# Altium PCB 1-quilter-input.PcbDoc (part 2 of 4)
Units mil, origin at the board's own origin, x right, y up, seen from the top; angles counter-clockwise.
Board outline 2728 x 2217 mil, 8 copper layers (L1_PS, L2_GND_1, L3_IN1, L4_GND_2, L5_PWR_1, L6_PWR_2, L7_GND_3, L8_SS), stack 46.1 mil thick; 230 components, 327 nets, 1592 pads, 586 vias.
Unrouted connection lines stored in the file: 713.
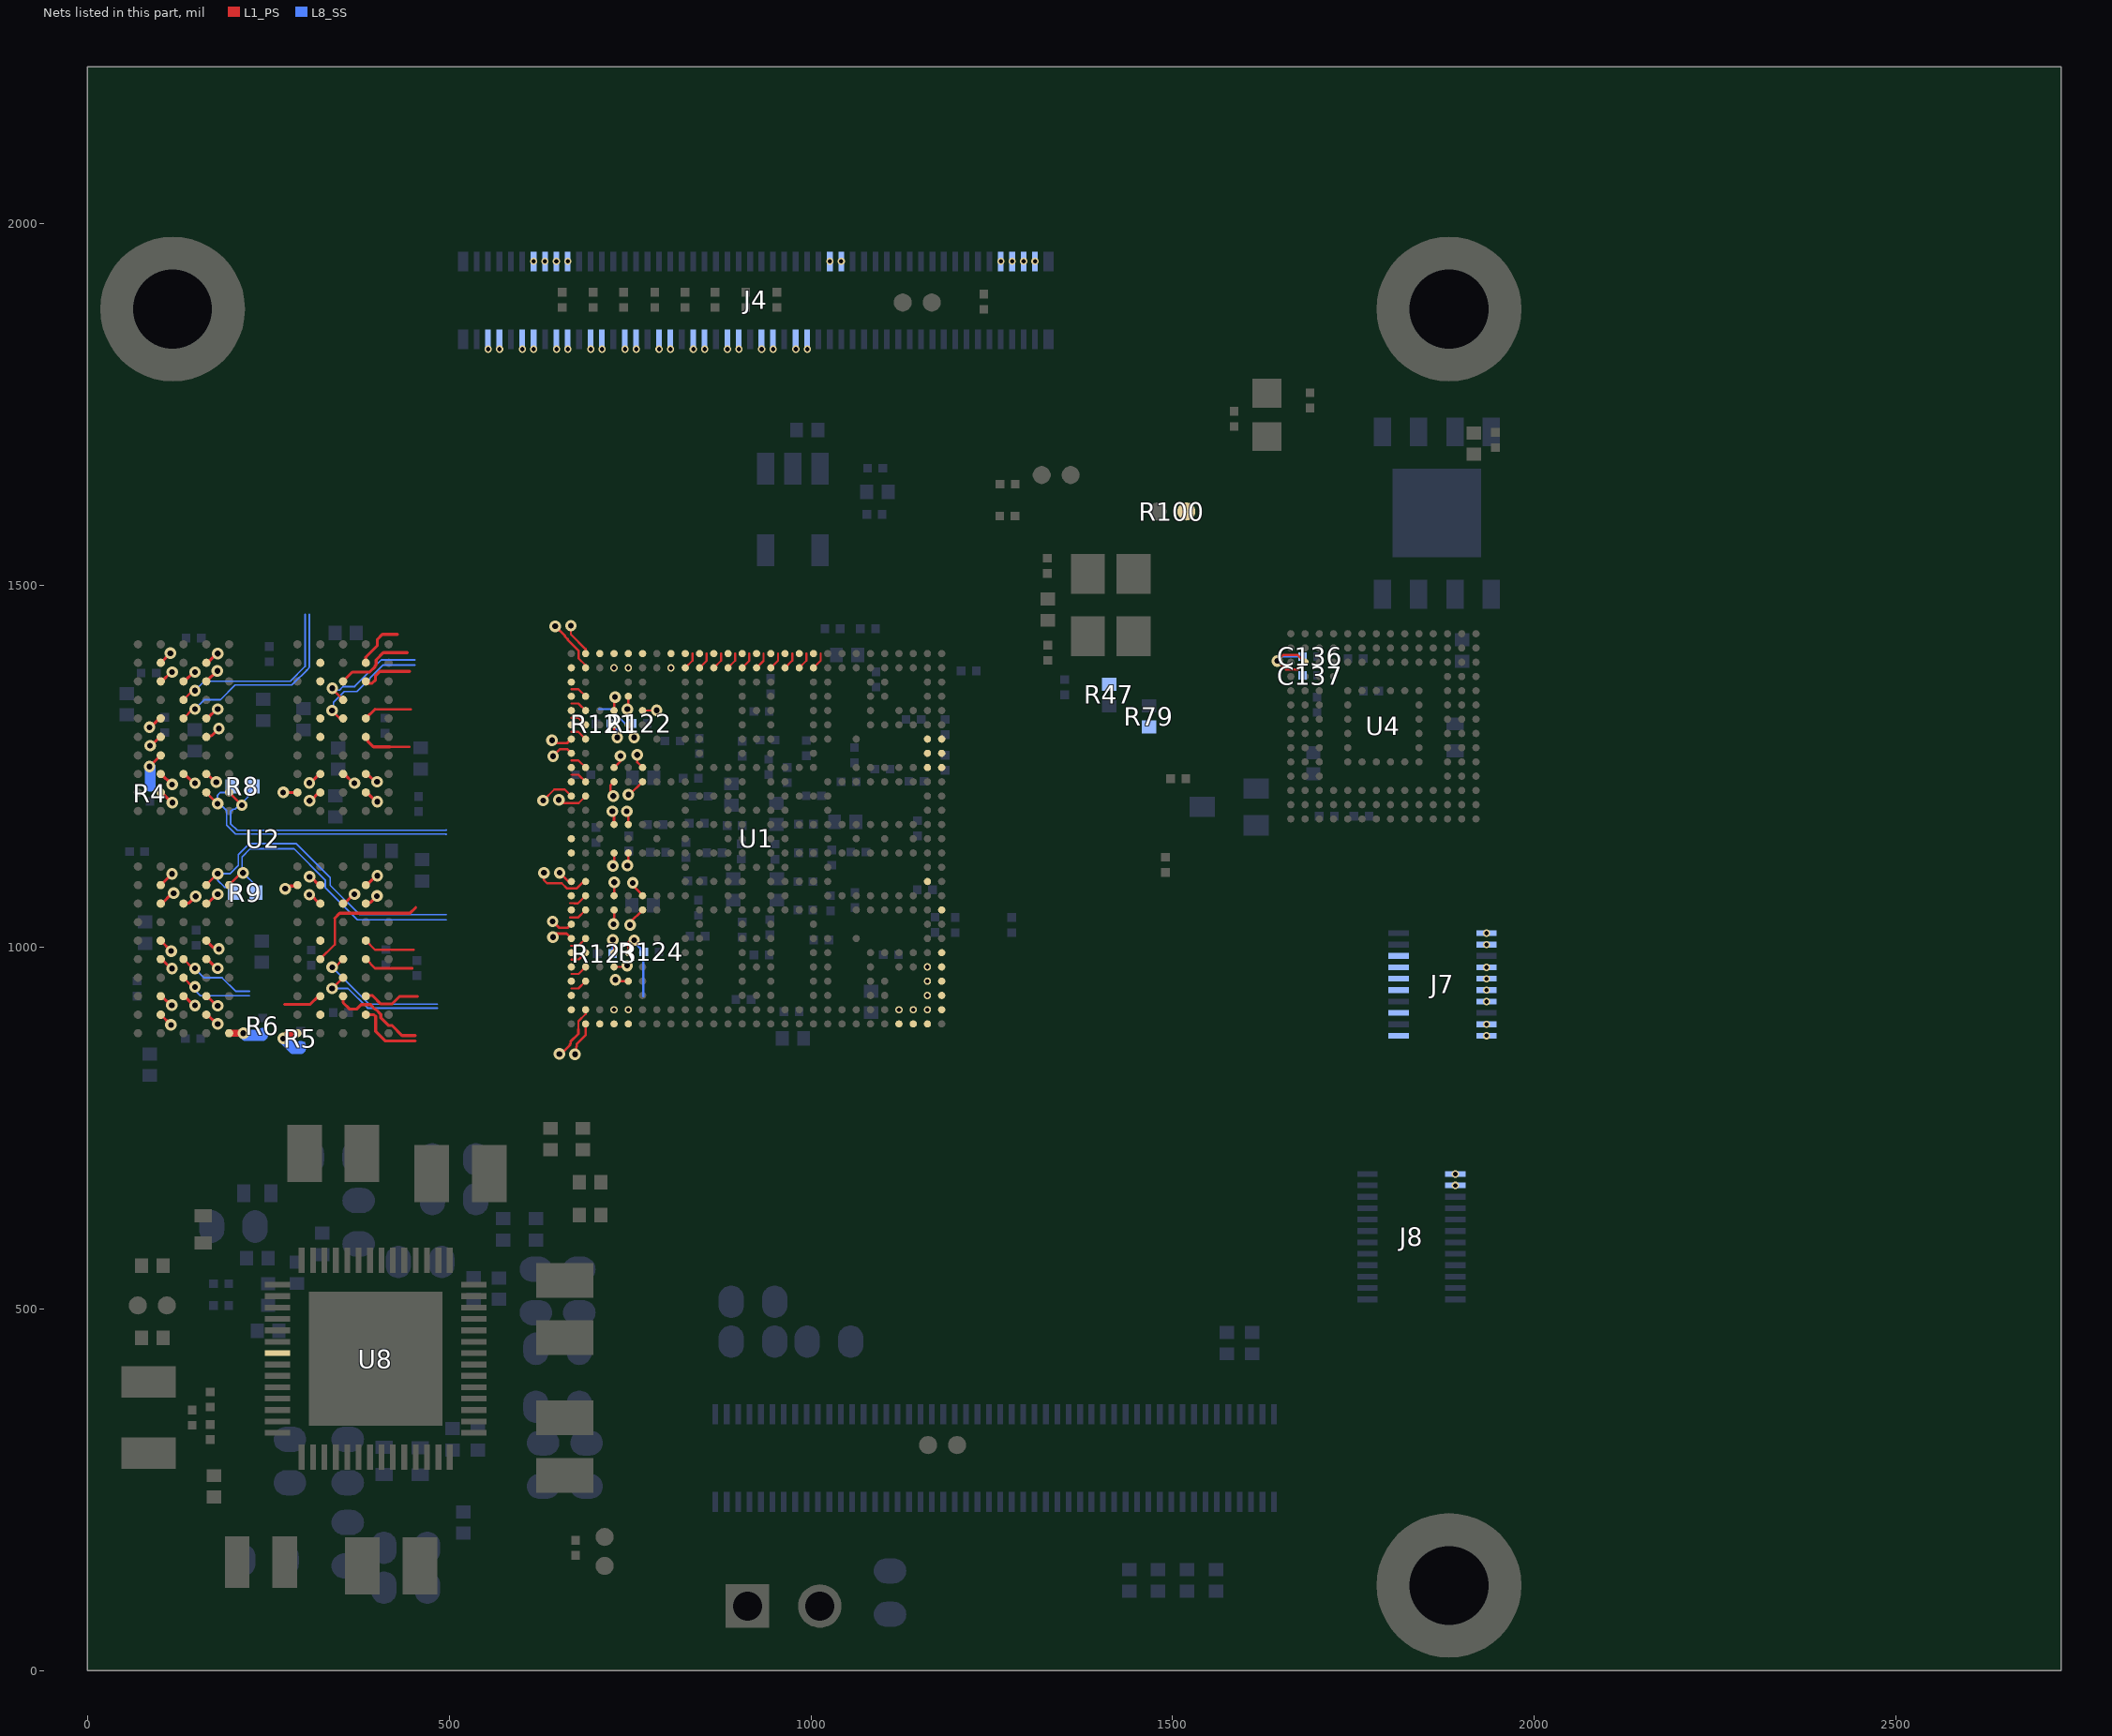
[diagram p3: the nets of this part, all layers, seen from the top]

## Footprints (in the part's own frame and the unit in brackets; to place one, negate y for a bottom-side part, rotate by r counter-clockwise, add the part's x,y. Pads: shape width x height; smd on the part's side, far side on the other; paste and mask are expansions set on the pad) (continued)
fbga153_0p5_11p5x13 [mil] "FBGA153_0P5_11P5X13"
  round 10 smd: A1(-127.95,127.95) A2(-108.27,127.95) A3(-88.58,127.95) A4(-68.9,127.95) A5(-49.21,127.95) A6(-29.53,127.95) A7(-9.84,127.95) A8(9.84,127.95) A9(29.53,127.95) A10(49.21,127.95) A11(68.9,127.95) A12(88.58,127.95) A13(108.27,127.95) A14(127.95,127.95) B1(-127.95,108.27) B2(-108.27,108.27) B3(-88.58,108.27) B4(-68.9,108.27) B5(-49.21,108.27) B6(-29.53,108.27) B7(-9.84,108.27) B8(9.84,108.27) B9(29.53,108.27) B10(49.21,108.27) B11(68.9,108.27) B12(88.58,108.27) B13(108.27,108.27) B14(127.95,108.27) C1(-127.95,88.58) C2(-108.27,88.58) C3(-88.58,88.58) C4(-68.9,88.58) C5(-49.21,88.58) C6(-29.53,88.58) C7(-9.84,88.58) C8(9.84,88.58) C9(29.53,88.58) C10(49.21,88.58) C11(68.9,88.58) C12(88.58,88.58) C13(108.27,88.58) C14(127.95,88.58) D1(-127.95,68.9) D2(-108.27,68.9) D3(-88.58,68.9) D4(-68.9,68.9) D12(88.58,68.9) D13(108.27,68.9) D14(127.95,68.9) E1(-127.95,49.21) E2(-108.27,49.21) E3(-88.58,49.21) E5(-49.21,49.21) E6(-29.53,49.21) E7(-9.84,49.21) E8(9.84,49.21) E9(29.53,49.21) E10(49.21,49.21) E12(88.58,49.21) E13(108.27,49.21) E14(127.95,49.21) F1(-127.95,29.53) F2(-108.27,29.53) F3(-88.58,29.53) F5(-49.21,29.53) F10(49.21,29.53) F12(88.58,29.53) F13(108.27,29.53) F14(127.95,29.53) G1(-127.95,9.84) G2(-108.27,9.84) G3(-88.58,9.84) G5(-49.21,9.84) G10(49.21,9.84) G12(88.58,9.84) G13(108.27,9.84) G14(127.95,9.84) H1(-127.95,-9.84) H2(-108.27,-9.84) H3(-88.58,-9.84) H5(-49.21,-9.84) H10(49.21,-9.84) H12(88.58,-9.84) H13(108.27,-9.84) H14(127.95,-9.84) J1(-127.95,-29.53) J2(-108.27,-29.53) J3(-88.58,-29.53) J5(-49.21,-29.53) J10(49.21,-29.53) J12(88.58,-29.53) J13(108.27,-29.53) J14(127.95,-29.53) K1(-127.95,-49.21) K2(-108.27,-49.21) K3(-88.58,-49.21) K5(-49.21,-49.21) K6(-29.53,-49.21) K7(-9.84,-49.21) K8(9.84,-49.21) K9(29.53,-49.21) K10(49.21,-49.21) K12(88.58,-49.21) K13(108.27,-49.21) K14(127.95,-49.21) L1(-127.95,-68.9) L2(-108.27,-68.9) L3(-88.58,-68.9) L12(88.58,-68.9) L13(108.27,-68.9) L14(127.95,-68.9) M1(-127.95,-88.58) M2(-108.27,-88.58) M3(-88.58,-88.58) M4(-68.9,-88.58) M5(-49.21,-88.58) M6(-29.53,-88.58) M7(-9.84,-88.58) M8(9.84,-88.58) M9(29.53,-88.58) M10(49.21,-88.58) M11(68.9,-88.58) M12(88.58,-88.58) M13(108.27,-88.58) M14(127.95,-88.58) N1(-127.95,-108.27) N2(-108.27,-108.27) N3(-88.58,-108.27) N4(-68.9,-108.27) N5(-49.21,-108.27) N6(-29.53,-108.27) N7(-9.84,-108.27) N8(9.84,-108.27) N9(29.53,-108.27) N10(49.21,-108.27) N11(68.9,-108.27) N12(88.58,-108.27) N13(108.27,-108.27) N14(127.95,-108.27) P1(-127.95,-127.95) P2(-108.27,-127.95) P3(-88.58,-127.95) P4(-68.9,-127.95) P5(-49.21,-127.95) P6(-29.53,-127.95) P7(-9.84,-127.95) P8(9.84,-127.95) P9(29.53,-127.95) P10(49.21,-127.95) P11(68.9,-127.95) P12(88.58,-127.95) P13(108.27,-127.95) P14(127.95,-127.95)
  silkscreen extent -266,-265 235,295, body extent -226,-256 226,256, height 36
GNDPOINT256 [mil] "GNDPOINT256"
  round 200 hole 109: 1(0,0)
HDR_1X2 [mil] "HDR_1X2"
  rect 60x60 / inner round 60 / far side rect 60x60 hole 40: 1(0,0)
  round 60 hole 40: 2(0,-100)
  L8_SS keep-out region: -30,-35 -30,-65 30,-65 30,-35
  silkscreen extent -57,-157 57,57, body extent -51,-152 49,48, height 330
hvqfn56_0p4_7x7_ep4p7mm [mil] "HVQFN56_0P4_7X7_EP4P7MM"
  rect 35x8 smd: 1(-135.83,102.36) 2(-135.83,86.61) 3(-135.83,70.87) 4(-135.83,55.12) 5(-135.83,39.37) 6(-135.83,23.62) 7(-135.83,7.87) 8(-135.83,-7.87) 9(-135.83,-23.62) 10(-135.83,-39.37) 11(-135.83,-55.12) 12(-135.83,-70.87) 13(-135.83,-86.61) 14(-135.83,-102.36) 29(135.83,-102.36) 30(135.83,-86.61) 31(135.83,-70.87) 32(135.83,-55.12) 33(135.83,-39.37) 34(135.83,-23.62) 35(135.83,-7.87) 36(135.83,7.87) 37(135.83,23.62) 38(135.83,39.37) 39(135.83,55.12) 40(135.83,70.87) 41(135.83,86.61) 42(135.83,102.36)
  rect 8x35 smd: 15(-102.36,-135.83) 16(-86.61,-135.83) 17(-70.87,-135.83) 18(-55.12,-135.83) 19(-39.37,-135.83) 20(-23.62,-135.83) 21(-7.87,-135.83) 22(7.87,-135.83) 23(23.62,-135.83) 24(39.37,-135.83) 25(55.12,-135.83) 26(70.87,-135.83) 27(86.61,-135.83) 28(102.36,-135.83) 43(102.36,135.83) 44(86.61,135.83) 45(70.87,135.83) 46(55.12,135.83) 47(39.37,135.83) 48(23.62,135.83) 49(7.87,135.83) 50(-7.87,135.83) 51(-23.62,135.83) 52(-39.37,135.83) 53(-55.12,135.83) 54(-70.87,135.83) 55(-86.61,135.83) 56(-102.36,135.83)
  rect 185x185 smd paste-99999: 57(0,0)
  silkscreen extent -145,-145 145,145, body extent -138,-138 138,138, height 33
IND_2016A [mil] "IND_2016A"
  rect 34x71 smd: 1(-32.87,-0.08) 2(32.87,-0.08)
  silkscreen extent -45,-42 45,43, body extent -39,-24 39,24, height 37
ind_sph2520 [mil] "IND_SPH2520"
  rect 48x79 smd: 1(-39.75,0) 2(39.75,0)
  silkscreen extent -55,-50 52,50, body extent -49,-39 49,39, height 87
LED_0603 [mil] "LED_0603"
  rect 40x40 smd: A(-30,0) C(30,0)
  silkscreen extent -57,-95 57,27, body extent -33,-18 33,18, height 35
NXP_LOGO_SOLID_SMALL [mil] "NXP_LOGO_SOLID_SMALL"
  silkscreen extent 0,1 516,176
RC0402_25 [mil] "RC0402_25"
  round 25 smd: 1(-20,0) 2(20,0)
  L1_PS keep-out region: 5,4 5,-4 5,-6.07 2.07,-9 -2.07,-9 -5,-6.07 -5,-4 -5,-4 -5,4 -5,6.07 -2.07,9 2.07,9 5,6.07 5,4
  body extent -23,-11 23,11, height 16
sc70_3 [mil] "SC70_3"
  rect 28x35 smd: 1(-25.5,-37.47) 2(25.5,-37.47) 3(0,37.47)
  silkscreen extent -51,-34 51,34, body extent -41,-45 41,45, height 39
sot23-5 [mil] "SOT23-5"
  rect 24x44 smd: 1(-37.4,-56.1) 2(0,-56.1) 3(37.4,-56.1) 4(37.4,56.1) 5(-37.4,56.1)
  silkscreen extent -69,-41 69,41, body extent -59,-55 59,55, height 46
UL_BOX [mil] "UL_BOX"
  silkscreen extent 0,0 700,200
XTAL2-3P2X1P5-SM [mil] "XTAL2-3P2X1P5-SM"
  rect 43x75 smd: 1(-49.21,0.02) 2(49.21,0.02)
  silkscreen extent -82,-48 82,48, body extent -63,-30 63,30, height 35
xtlosc4_3p2x2p5mm_sm [mil] "XTLOSC4_3P2X2P5MM_SM"
  rect 55x47 smd: 1(-43.29,-31.5) 2(43.33,-31.5) 3(43.33,31.5) 4(-43.29,31.5)
  silkscreen extent -78,-62 78,62, body extent -63,-49 63,49, height 28

## Part data
BH1 BH2 BH3: library part MOUNT_HOLE, "MOUNTING HOLE DRILL 109 PAD 200 PLATED TH NO PART TO ORDER", AGILE_PN=280-75147, ASSY_OPT=DNP, CAD_APPROVED=Yes, CLASS=IC, HEIGHT="0.005 MILS", PCB Footprint=GNDPOINT256, RoHS=Yes
  BH1: Part Reference=BH1
  BH2: Part Reference=BH2
  BH3: Part Reference=BH3
C1 C3 C5 C6 C8 C9 C17 C21 C23 C30 C99 C100 C101 C104 C114 C128 C129 C131 C132 C133 C136 C138 C235 C241 C244 C264 C370 C371 C372 C373 C374 C375 C376 C378 C379 C380 C381 C382 C384 C392 C393 C394 C400: library part CAP_NP, "CAP CER 0.22UF 10V 20% X5R 0201", Tolerance=20%, Voltage=10V, AGILE_PN=150-78815, CAD_APPROVED=Yes, CLASS=DISCRETE, HEIGHT=0.33MM, MFG_NAME01="Taiyo Yuden", MFG_PN01=LMK063BJ224MP-F, PCB Footprint=0201_CC, RoHS=Yes
  C1: FPLIST=CC0201,CC0201_HD,0201_CC,CC_0201_CIR,0201_CC_012SM_NSP, Part Reference=C1
  C3: FPLIST=CC0201,CC0201_HD,0201_CC, Part Reference=C3
  C5: FPLIST=CC0201,CC0201_HD,0201_CC, Part Reference=C5
  C6: FPLIST=CC0201,CC0201_HD,0201_CC, Part Reference=C6
  C8: FPLIST=CC0201,CC0201_HD,0201_CC, Part Reference=C8
  C9: FPLIST=CC0201,CC0201_HD,0201_CC, Part Reference=C9
  C17: FPLIST=CC0201,CC0201_HD,0201_CC, Part Reference=C17
  C21: FPLIST=CC0201,CC0201_HD,0201_CC, Part Reference=C21
  C23: FPLIST=CC0201,CC0201_HD,0201_CC, Part Reference=C23
  C30: FPLIST=CC0201,CC0201_HD,0201_CC,0201_CC_012SM_NSP, Part Reference=C30
  C99: FPLIST=CC0201,CC0201_HD,0201_CC, Part Reference=C99
  C100: FPLIST=CC0201,CC0201_HD,0201_CC, Part Reference=C100
  C101: FPLIST=CC0201,CC0201_HD,0201_CC, Part Reference=C101
  C104: FPLIST=CC0201,CC0201_HD,0201_CC, Part Reference=C104
  C114: FPLIST=CC0201,CC0201_HD,0201_CC, Part Reference=C114
  C128: FPLIST=CC0201,CC0201_HD,0201_CC, Part Reference=C128
  C129: FPLIST=CC0201,CC0201_HD,0201_CC, Part Reference=C129
  C131: FPLIST=CC0201,CC0201_HD,0201_CC, Part Reference=C131
  C132: FPLIST=CC0201,CC0201_HD,0201_CC, Part Reference=C132
  C133: FPLIST=CC0201,CC0201_HD,0201_CC, Part Reference=C133
  C136: FPLIST=CC0201,CC0201_HD,0201_CC, Part Reference=C136
  C138: FPLIST=CC0201,CC0201_HD,0201_CC, Part Reference=C138
  C235: FPLIST=CC0201,CC0201_HD,0201_CC, Part Reference=C235
  C241: FPLIST=CC0201,CC0201_HD,0201_CC, Part Reference=C241
  C244: FPLIST=CC0201,CC0201_HD,0201_CC,CC_0201_CIR,0201_CC_012SM_NSP, Part Reference=C244
  C264: FPLIST=CC0201,CC0201_HD,0201_CC, Part Reference=C264
  C370: FPLIST=CC0201,CC0201_HD,0201_CC, Part Reference=C370
  C371: FPLIST=CC0201,CC0201_HD,0201_CC, Part Reference=C371
  C372: FPLIST=CC0201,CC0201_HD,0201_CC, Part Reference=C372
  C373: FPLIST=CC0201,CC0201_HD,0201_CC, Part Reference=C373
  C374: FPLIST=CC0201,CC0201_HD,0201_CC, Part Reference=C374
  C375: FPLIST=CC0201,CC0201_HD,0201_CC, Part Reference=C375
  C376: FPLIST=CC0201,CC0201_HD,0201_CC, Part Reference=C376
  C378: FPLIST=CC0201,CC0201_HD,0201_CC, Part Reference=C378
  C379: FPLIST=CC0201,CC0201_HD,0201_CC, Part Reference=C379
  C380: FPLIST=CC0201,CC0201_HD,0201_CC, Part Reference=C380
  C381: FPLIST=CC0201,CC0201_HD,0201_CC, Part Reference=C381
  C382: FPLIST=CC0201,CC0201_HD,0201_CC, Part Reference=C382
  C384: FPLIST=CC0201,CC0201_HD,0201_CC, Part Reference=C384
  C392: FPLIST=CC0201,CC0201_HD,0201_CC, Part Reference=C392
  C393: FPLIST=CC0201,CC0201_HD,0201_CC, Part Reference=C393
  C394: FPLIST=CC0201,CC0201_HD,0201_CC, Part Reference=C394
  C400: FPLIST=CC0201,CC0201_HD,0201_CC, Part Reference=C400
C2 C11 C12 C13: library part CAP_NP, "CAP CER 2.2uF 16V 10% X5R 0402", Package Size=0402, Temp Range="-55C to +85C", Tolerance=10%, Voltage=16V, AGILE_PN=150-80176, CAD_APPROVED=Yes, CLASS=DISCRETE, FPLIST=CC0402_25,CC0402_HD,0402_CC, HEIGHT=0.6MM, MFG_NAME01=MURATA, MFG_PN01=GRM155R61C225KE44, PCB Footprint=0402_CC, RoHS=Yes, Temp_Range="-55C to +85C"
  C2: Part Reference=C2
  C11: Part Reference=C11
  C12: Part Reference=C12
  C13: Part Reference=C13
C10 C406 C407: library part CAP_NP, "CAP CER 1.0UF 10V 10% X5R 0402", Package Size=0402, Voltage=10V, AGILE_PN=150-75772, CAD_APPROVED=Yes, CLASS=DISCRETE, FPLIST=CC0402_25,CC0402_HD,0402_CC, HEIGHT=0.6MM, MFG_NAME01="YAGEO AMERICA", MFG_PN01=CC0402KRX5R6BB105, PCB Footprint=0402_CC, RoHS=Yes
  C10: Part Reference=C10
  C406: Part Reference=C406
  C407: Part Reference=C407
C15 C16 C35 C36 C48 C54 C61 C65 C74 C78 C90 C91 C92 C93 C94 C95 C137 C248 C251 C253 C254 C255 C256 C267 C333 C337 C391 C408: library part CAP_NP, "CAP CER 1uF 6.3V 20% X5R 0201", Package Size=0201, Package Type="7¡± reel", Tolerance=20%, Voltage=6.3V, AGILE_PN=150-79407, CAD_APPROVED=Yes, CLASS=DISCRETE, FPLIST=CC0201,CC0201_HD,0201_CC,0201_CC_012SM_NSP, HEIGHT=0.35MM, MFG_NAME01=AVX, MFG_PN01=02016D105MAT2A, PCB Footprint=0201_CC, RoHS=Yes
  C15: Part Reference=C15
  C16: Part Reference=C16
  C35: Part Reference=C35
  C36: Part Reference=C36
  C48: Part Reference=C48
  C54: Part Reference=C54
  C61: Part Reference=C61
  C65: Part Reference=C65
  C74: Part Reference=C74
  C78: Part Reference=C78
  C90: Part Reference=C90
  C91: Part Reference=C91
  C92: Part Reference=C92
  C93: Part Reference=C93
  C94: Part Reference=C94
  C95: Part Reference=C95
  C137: Part Reference=C137
  C248: Part Reference=C248
  C251: Part Reference=C251
  C253: Part Reference=C253
  C254: Part Reference=C254
  C255: Part Reference=C255
  C256: Part Reference=C256
  C267: Part Reference=C267
  C333: Part Reference=C333
  C337: Part Reference=C337
  C391: Part Reference=C391
  C408: Part Reference=C408
C20 C33 C55 C88 C89 C105 C106 C108 C109 C110 C111 C112 C113 C115 C117 C118 C119 C130 C139 C247 C265 C266: library part CAP_NP, "CAP CER 10UF 6.3V 20% X5R 0402", Tolerance=20%, Voltage=6.3V, 3D_Mechanical_Footprint_File=cc0402_tol0p2, AGILE_PN=150-79163, CAD_APPROVED=Yes, CLASS=DISCRETE, FPLIST=CC0402_25,CC0402_HD,0402_CC, HEIGHT="0.7 MM", MFG_NAME01="SAMSUNG ELECTRO MECHANICS", MFG_PN01=CL05A106MQ5NUNC, PCB Footprint=0402_cc_nsp, RoHS=Yes
  C20: Part Reference=C20
  C33: Part Reference=C33
  C55: Part Reference=C55
  C88: Part Reference=C88
  C89: Part Reference=C89
  C105: Part Reference=C105
  C106: Part Reference=C106
  C108: Part Reference=C108
  C109: Part Reference=C109
  C110: Part Reference=C110
  C111: Part Reference=C111
  C112: Part Reference=C112
  C113: Part Reference=C113
  C115: Part Reference=C115
  C117: Part Reference=C117
  C118: Part Reference=C118
  C119: Part Reference=C119
  C130: Part Reference=C130
  C139: Part Reference=C139
  C247: Part Reference=C247
  C265: Part Reference=C265
  C266: Part Reference=C266
C123 C124: library part CAP_NP, "CAP CER 12PF 25V 5% C0G AEC-Q200 0201", Tolerance=5%, Voltage=25V, AGILE_PN=150-79813, CAD_APPROVED=Yes, CLASS=DISCRETE, FPLIST=CC0201,CC0201_HD,0201_CC, HEIGHT=0.33MM, MFG_NAME01=TDK, MFG_PN01=CGA1A2C0G1E120J030BA, PCB Footprint=0201_CC, RoHS=Yes
  C123: Part Reference=C123
  C124: Part Reference=C124
C127 C234 C260 C323 C360 C363 C410: library part CAP_NP, "CAP CER 4.7uF 10V 10% X5R 0402", Tolerance=10%, Voltage=10V, 3D_Mechanical_Footprint_File=cc0402_tol0p15, AGILE_PN=150-80044, CAD_APPROVED=Yes, CLASS=DISCRETE, FPLIST=CC0402_25,CC0402_HD,0402_CC, HEIGHT=0.65MM, MFG_NAME01="SAMSUNG ELECTRO MECHANICS", MFG_PN01=CL05A475KP5NRNC, RoHS=Yes
  C127: Part Reference=C127, PCB Footprint=cc0402_tol0p15
  C234: Part Reference=C234, PCB Footprint=0402_cc_nsp
  C260: Part Reference=C260, PCB Footprint=0402_cc_nsp
  C323: Part Reference=C323, PCB Footprint=cc0402_tol0p15
  C360: Part Reference=C360, PCB Footprint=cc0402_tol0p15
  C363: Part Reference=C363, PCB Footprint=cc0402_tol0p15
  C410: Part Reference=C410, PCB Footprint=cc0402_tol0p15
C245 C298 C299: library part CAP_NP, "CAP CER 18pF 50V 5% C0G 0201", Package Size=0201, Package Type="&#966;180mm Paper taping", Tolerance=5%, Voltage=50V, AGILE_PN=150-79476, CAD_APPROVED=Yes, CLASS=DISCRETE, FPLIST=CC0201,CC0201_HD,0201_CC, HEIGHT=0.33MM, MFG_NAME01=MURATA, MFG_PN01=GRM0335C1H180JA01D, PCB Footprint=0201_CC, RoHS=Yes
  C245: Part Reference=C245
  C298: Part Reference=C298
  C299: Part Reference=C299
C268: library part CAP_NP, "CAP CER 2200PF 16V 10% X7R 0201", Tolerance=20%, Voltage=16V, AGILE_PN=150-78660, CAD_APPROVED=Yes, CLASS=DISCRETE, FPLIST=CC0201,CC0201_HD,0201_CC, HEIGHT="0.33 MM", MFG_NAME01=MURATA, MFG_PN01=GRM033R71C222KA88D, Part Reference=C268, PCB Footprint=0201_CC, RoHS=Yes
C275 C283 C285 C287 C303 C304 C311 C312 C317 C324 C403 C404: library part CAP_NP, "CAP CER 22uF 10V 20% X5R 0603", Package Size=0603, Tolerance=20%, Voltage=10V, AGILE_PN=150-79530, CAD_APPROVED=Yes, CLASS=DISCRETE, FPLIST=CC0603_OV,CC0603,0603_CC, HEIGHT=1MM, MFG_NAME01=TDK, MFG_PN01=C1608X5R1A226M080AC, PCB Footprint=CC0603_OV, RoHS=Yes, SIGNAL_MODEL=DEFAULT_CAPACITOR_2.2e+07pF_2_1, WVDC=6.3V
  C275: Part Reference=C275
  C283: Part Reference=C283
  C285: ASSY_OPT=DNP, Part Reference=C285
  C287: ASSY_OPT=DNP, Part Reference=C287
  C303: Part Reference=C303
  C304: ASSY_OPT=DNP, Part Reference=C304
  C311: Part Reference=C311
  C312: Part Reference=C312
  C317: Part Reference=C317
  C324: Part Reference=C324
  C403: Part Reference=C403
  C404: Part Reference=C404
C279 C281 C295 C301 C306 C307 C316 C401 C402: library part CAP_NP, "CAP CER 10.0uF 16V 10% X5R 0603", Package Size=0603, Package Type=SMT, Temp Range="-55¡ãC to +85¡ãC", Tolerance=10%, Voltage=16V, AGILE_PN=150-80060, CAD_APPROVED=Yes, CLASS=DISCRETE, FPLIST=CC0603_OV,CC0603,0603_CC,cc0603_0805_nsp, HEIGHT=0.9MM, MFG_NAME01=MURATA, MFG_PN01=GRM188R61C106KAALD, PCB Footprint=CC0603_OV, RoHS=Yes, Temp_Range="-55¡ãC to +85¡ãC"
  C279: Part Reference=C279
  C281: Part Reference=C281
  C295: Part Reference=C295
  C301: Part Reference=C301
  C306: Part Reference=C306
  C307: Part Reference=C307
  C316: Part Reference=C316
  C401: Part Reference=C401
  C402: Part Reference=C402
C365: library part CAP_NP, "CAP CER 1.0UF 16V 10% X5R 0603", Package Size=0603, Tolerance=10%, Voltage=16V, AGILE_PN=150-30124, CAD_APPROVED=Yes, CLASS=DISCRETE, FPLIST=CC0603_OV,CC0603,0603_CC, HEIGHT=0.90MM, MFG_NAME01=TDK, MFG_PN01=C1608X5R1C105K, Part Reference=C365, PCB Footprint=CC0603_OV, RoHS=Yes
C405: library part CAP_NP, "CAP CER 2.2uF 10V 10% X5R 0402", Package Size=0402, Tolerance=10%, Voltage=10V, AGILE_PN=150-78974, ASSY_OPT=DNP, CAD_APPROVED=Yes, CLASS=DISCRETE, FPLIST=CC0402_25,CC0402_HD,0402_CC, HEIGHT="0.55 MM", MFG_NAME01=TDK, MFG_PN01=C1005X5R1A225K, Part Reference=C405, PCB Footprint=0402_CC, RoHS=Yes
D1: library part LED, "LED GRN SGL 25MA SMT 0603", Voltage=2V, AGILE_PN=370-76672, CAD_APPROVED=Yes, CLASS=IC, HEIGHT="0.8 MM", MFG_NAME01=DIALIGHT, MFG_PN01=598-8070-107F, Part Reference=D1, PCB Footprint=LED_0603, RoHS=Yes
J4: library part HDR_2X50_M, "CON 2X50 PLUG SHRD SMT 0.4MM SP 51H AU", Temp Range="-35 to 85 &#8451;", AGILE_PN=211-80305, CAD_APPROVED=Yes, CLASS=IO, HEIGHT=1.29MM, MFG_NAME01=HIROSE, MFG_PN01=DF40C-100DP-0.4V(51), Part Reference=J4, PCB Footprint=con100_0p4_21p7x2p05_sm, RoHS=Yes, Temp_Range="-35 to 85 &#8451;"
J5: library part HDR_2X50_M, "CON 2X50 SKT SHRD SMT 0.4MM SP 65H AU", Package Type=SMT, Temp Range="-35C to +85C", AGILE_PN=211-80183, CAD_APPROVED=Yes, CLASS=IO, HEIGHT="1.65 MM", MFG_NAME01=HIROSE, MFG_PN01=DF40C-100DS-0.4V(51), Part Reference=J5, PCB Footprint=con100_0p4_22p8x3p1_sm, RoHS=Yes, Temp_Range="-35C to +85C"
J6: library part CONN_HDR_2X1, "HDR 1X2 TH 100MIL SP 339H AU 98L", Temp Range="-55¡ãC to +125¡ãC", AGILE_PN=210-75439, ASSY_OPT=DNP, CAD_APPROVED=YES, CLASS=IO, FPLIST=HDR102,SH_HDR102_BOTTOM, HEIGHT="8.71 MM", MFG_NAME01=SAMTEC, MFG_PN01=TSW-102-07-G-S, Part Reference=J6, PCB Footprint=HDR_1X2, RoHS=Yes
J7: library part CONN_HDR_10X2, "CON 2X10 SKT SHRD SMT 0.4MM SP 63H AU", Temp Range="-35C to 85C", AGILE_PN=211-80328, CAD_APPROVED=Yes, CLASS=IO, HEIGHT=1.6MM, MFG_NAME01=HIROSE, MFG_PN01=DF40C-20DS-0.4V(51), Part Reference=J7, PCB Footprint=con20_0p4_6p8x3p1_sm, RoHS=Yes, Temp_Range="-35C to 85C"
J8: library part CONN_HDR_12X2, "CON 2X12 SKT SHRD SMT 0.4MM SP 65H AU", Package Type=SMT, AGILE_PN=211-79877, CAD_APPROVED=Yes, CLASS=IO, HEIGHT=1.65MM, MFG_NAME01=HIROSE, MFG_PN01=DF40C-24DS-0.4V(51), Part Reference=J8, PCB Footprint=con24_0p4_7p6x3p08_sm, RoHS=Yes
L5 L6 L10 L15: library part INDUCTOR, "IND PWR 0.47uH@1MHZ 4.7A 20% SMT", Temp Range="-40¡ãC to +125¡ãC", Tolerance=20%, AGILE_PN=180-78647, CAD_APPROVED=Yes, CLASS=DISCRETE, HEIGHT=1.2MM, MFG_NAME01="SHENZHEN SUNLORD ELECTRONICS CO., LTD", MFG_PN01=WPN252012ER47MT, PART_TYPE=INDUCTOR\POWER, PCB Footprint=ind_sph2520, RoHS=Yes, Temp_Range="-40¡ãC to +125¡ãC", TOL=20%
  L5: Part Reference=L5, SILK=0V8
  L6: Part Reference=L6, SILK=0V9
  L10: Part Reference=L10, SILK=0V9
  L15: Part Reference=L15, SILK=1V1
L11: library part INDUCTOR, "IND PWR 1uH@1MHZ 4.2A 20% SMT", Temp Range="-40C - +125C", AGILE_PN=180-78601, CAD_APPROVED=Yes, CLASS=DISCRETE, HEIGHT=1.2MM, MFG_NAME01="SHENZHEN SUNLORD ELECTRONICS CO., LTD", MFG_PN01=WPN252012H1R0MT, Part Reference=L11, PART_TYPE=INDUCTOR\POWER, PCB Footprint=ind_sph2520, RoHS=Yes, SILK=3V3, Temp_Range="-40C - +125C"
L13: library part INDUCTOR, "IND WW 0.47uH@1MHz 3.4A 20% 2016", Temp Range="-40C to +85C", Tolerance=20%, Voltage="20V DC", AGILE_PN=180-78630, CAD_APPROVED=Yes, CLASS=DISCRETE, HEIGHT=1.2MM, MFG_NAME01=MURATA, MFG_PN01=1286AS-H-R47M=P2, Part Reference=L13, PART_TYPE=INDUCTOR, PCB Footprint=IND_2016A, RoHS=Yes, SILK=1V8, Temp_Range="-40C to +85C"
Q1: library part NMOS_NX3008NBK, "TRAN NMOS SW 30V 350mA AEC-Q101 SC-70", AGILE_PN=480-79736, CAD_APPROVED=Yes, CLASS=IC, HEIGHT=1.1MM, MFG_NAME01=NEXPERIA, MFG_PN01=NX3008NBKW,115, Part Reference=Q1, PCB Footprint=sc70_3, RoHS=Yes
QZ2: library part XTAL, "XTAL 32.768KHZ 12.5PF 20PPM 3.2X1.5MM SMT", AGILE_PN=230-77653, CAD_APPROVED=Yes, CLASS=IC, HEIGHT=0.9MM, MFG_NAME01="Abracon Corporation", MFG_PN01=ABS07-32.768KHZ-T, Part Reference=QZ2, PCB Footprint=XTAL2-3P2X1P5-SM, RoHS=Yes
R4 R18 R23 R117 R118 R119 R120 R121 R122 R123 R124: library part RES, "RES MF 10K 1/20W 5% 0201", Tolerance=5%, AGILE_PN=470-79719, CAD_APPROVED=Yes, CLASS=DISCRETE, FPLIST=RC0201,0201_CC, HEIGHT="0.26 MM", MFG_NAME01="RALEC ELECTRONIC CORP", MFG_PN01=RTT01103JTH, PCB Footprint=0201_CC, RoHS=Yes

## Text inside footprints (layer, text, board x,y; h text height)
U4: Top Overlay "A" at 1545.74,1505.24 h15 r90; Top Overlay "P" at 1546.96,1067.21 h15 r90; Top Overlay "14" at 1936.78,1579.32 h15 r90; Top Overlay "1" at 1669.77,1586.53 h15 r90; Top Pin Number "D3" at 1700.6,1365.16 h10 r45; Top Pin Number "D2" at 1680.91,1365.16 h10 r45; Top Pin Number "D14" at 1915.13,1362.16 h10 r45; Top Pin Number "D13" at 1895.45,1362.16 h10 r45; Top Pin Number "D12" at 1875.76,1362.16 h10 r45; Top Pin Number "D1" at 1661.23,1365.16 h10 r45; Top Pin Number "C9" at 1818.71,1384.84 h10 r45; Top Pin Number "C8" at 1799.02,1384.84 h10 r45; Top Pin Number "C7" at 1779.34,1384.84 h10 r45; Top Pin Number "C5" at 1739.97,1384.84 h10 r45; Top Pin Number "C3" at 1700.6,1384.84 h10 r45; Top Pin Number "C14" at 1915.13,1381.84 h10 r45; Top Pin Number "C13" at 1895.45,1381.84 h10 r45; Top Pin Number "C12" at 1875.76,1381.84 h10 r45; Top Pin Number "C11" at 1856.08,1381.84 h10 r45; Top Pin Number "C10" at 1836.39,1381.84 h10 r45; Top Pin Number "C1" at 1661.23,1384.84 h10 r45; Top Pin Number "B9" at 1818.71,1404.53 h10 r45; Top Pin Number "B8" at 1799.02,1404.53 h10 r45; Top Pin Number "B7" at 1779.34,1404.53 h10 r45; Top Pin Number "B14" at 1915.13,1401.53 h10 r45; Top Pin Number "B13" at 1895.45,1401.53 h10 r45; Top Pin Number "B12" at 1875.76,1401.53 h10 r45; Top Pin Number "B11" at 1856.08,1401.53 h10 r45; Top Pin Number "B10" at 1836.39,1401.53 h10 r45; Top Pin Number "B1" at 1661.23,1404.53 h10 r45; Top Pin Number "A9" at 1818.71,1424.21 h10 r45; Top Pin Number "A8" at 1799.02,1424.21 h10 r45; Top Pin Number "A7" at 1779.34,1424.21 h10 r45; Top Pin Number "A2" at 1680.91,1424.21 h10 r45; Top Pin Number "A14" at 1915.13,1421.21 h10 r45; Top Pin Number "A13" at 1895.45,1421.21 h10 r45; Top Pin Number "A12" at 1875.76,1421.21 h10 r45; Top Pin Number "A11" at 1856.08,1421.21 h10 r45; Top Pin Number "A10" at 1836.39,1421.21 h10 r45; Top Pin Number "A1" at 1661.23,1424.21 h10 r45; Top Pin Number "K5" at 1739.97,1247.05 h10 r45; Top Pin Number "P3" at 1700.6,1168.31 h10 r45; Top Pin Number "N4" at 1720.28,1187.99 h10 r45; Top Pin Number "P5" at 1739.97,1168.31 h10 r45; Top Pin Number "M4" at 1720.28,1207.68 h10 r45; Top Pin Number "C6" at 1759.65,1384.84 h10 r45; Top Pin Number "P4" at 1720.28,1168.31 h10 r45; Top Pin Number "N2" at 1680.91,1187.99 h10 r45; Top Pin Number "N5" at 1739.97,1187.99 h10 r45; Top Pin Number "P6" at 1759.65,1168.31 h10 r45; Top Pin Number "C4" at 1720.28,1384.84 h10 r45; Top Pin Number "J5" at 1739.97,1266.73 h10 r45; Top Pin Number "H10" at 1836.39,1283.42 h10 r45; Top Pin Number "K8" at 1799.02,1247.05 h10 r45; Top Pin Number "G5" at 1739.97,1306.1 h10 r45; Top Pin Number "E7" at 1779.34,1345.47 h10 r45; Top Pin Number "A6" at 1759.65,1424.21 h10 r45; Top Pin Number "J10" at 1836.39,1263.73 h10 r45; Top Pin Number "K9" at 1818.71,1247.05 h10 r45; Top Pin Number "F5" at 1739.97,1325.79 h10 r45; Top Pin Number "E6" at 1759.65,1345.47 h10 r45; Top Pin Number "B3" at 1700.6,1404.53 h10 r45; Top Pin Number "M5" at 1739.97,1207.68 h10 r45; Top Pin Number "A4" at 1720.28,1424.21 h10 r45; Top Pin Number "A5" at 1739.97,1424.21 h10 r45; Top Pin Number "B6" at 1759.65,1404.53 h10 r45; Top Pin Number "B5" at 1739.97,1404.53 h10 r45; Top Pin Number "B4" at 1720.28,1404.53 h10 r45; Top Pin Number "A3" at 1700.6,1424.21 h10 r45; Top Pin Number "C2" at 1680.91,1384.84 h10 r45; Top Pin Number "B2" at 1680.91,1404.53 h10 r45; Top Pin Number "H5" at 1739.97,1286.42 h10 r45; Top Pin Number "M6" at 1759.65,1207.68 h10 r45; Top Pin Number "K10" at 1836.39,1244.05 h10 r45; Top Pin Number "F10" at 1836.39,1322.79 h10 r45; Top Pin Number "E10" at 1836.39,1342.47 h10 r45; Top Pin Number "E9" at 1818.71,1345.47 h10 r45; Top Pin Number "P9" at 1818.71,1168.31 h10 r45; Top Pin Number "P8" at 1799.02,1168.31 h10 r45; Top Pin Number "P7" at 1779.34,1168.31 h10 r45; Top Pin Number "P2" at 1680.91,1168.31 h10 r45; Top Pin Number "P14" at 1915.13,1165.31 h10 r45; Top Pin Number "P13" at 1895.45,1165.31 h10 r45; Top Pin Number "P12" at 1875.76,1165.31 h10 r45; Top Pin Number "P11" at 1856.08,1165.31 h10 r45; Top Pin Number "P10" at 1836.39,1165.31 h10 r45; Top Pin Number "P1" at 1661.23,1168.31 h10 r45; Top Pin Number "N9" at 1818.71,1187.99 h10 r45; Top Pin Number "N8" at 1799.02,1187.99 h10 r45; Top Pin Number "N7" at 1779.34,1187.99 h10 r45; Top Pin Number "N6" at 1759.65,1187.99 h10 r45; Top Pin Number "N3" at 1700.6,1187.99 h10 r45; Top Pin Number "N14" at 1915.13,1184.99 h10 r45; Top Pin Number "N13" at 1895.45,1184.99 h10 r45; Top Pin Number "N12" at 1875.76,1184.99 h10 r45; Top Pin Number "N11" at 1856.08,1184.99 h10 r45; Top Pin Number "N10" at 1836.39,1184.99 h10 r45; Top Pin Number "N1" at 1661.23,1187.99 h10 r45; Top Pin Number "M9" at 1818.71,1207.68 h10 r45; Top Pin Number "M8" at 1799.02,1207.68 h10 r45; Top Pin Number "M7" at 1779.34,1207.68 h10 r45; Top Pin Number "M3" at 1700.6,1207.68 h10 r45; Top Pin Number "M2" at 1680.91,1207.68 h10 r45; Top Pin Number "M14" at 1915.13,1204.68 h10 r45; Top Pin Number "M13" at 1895.45,1204.68 h10 r45; Top Pin Number "M12" at 1875.76,1204.68 h10 r45; Top Pin Number "M11" at 1856.08,1204.68 h10 r45; Top Pin Number "M10" at 1836.39,1204.68 h10 r45; Top Pin Number "M1" at 1661.23,1207.68 h10 r45; Top Pin Number "L3" at 1700.6,1227.36 h10 r45; Top Pin Number "L2" at 1680.91,1227.36 h10 r45; Top Pin Number "L14" at 1915.13,1224.36 h10 r45; Top Pin Number "L13" at 1895.45,1224.36 h10 r45; Top Pin Number "L12" at 1875.76,1224.36 h10 r45; Top Pin Number "L1" at 1661.23,1227.36 h10 r45; Top Pin Number "K7" at 1779.34,1247.05 h10 r45; Top Pin Number "K6" at 1759.65,1247.05 h10 r45; Top Pin Number "K3" at 1700.6,1247.05 h10 r45; Top Pin Number "K2" at 1680.91,1247.05 h10 r45; Top Pin Number "K14" at 1915.13,1244.05 h10 r45; Top Pin Number "K13" at 1895.45,1244.05 h10 r45; Top Pin Number "K12" at 1875.76,1244.05 h10 r45; Top Pin Number "K1" at 1661.23,1247.05 h10 r45; Top Pin Number "J3" at 1700.6,1266.73 h10 r45; Top Pin Number "J2" at 1680.91,1266.73 h10 r45; Top Pin Number "J14" at 1915.13,1263.73 h10 r45; Top Pin Number "J13" at 1895.45,1263.73 h10 r45; Top Pin Number "J12" at 1875.76,1263.73 h10 r45; Top Pin Number "J1" at 1661.23,1266.73 h10 r45; Top Pin Number "H3" at 1700.6,1286.42 h10 r45; Top Pin Number "H2" at 1680.91,1286.42 h10 r45; Top Pin Number "H14" at 1915.13,1283.42 h10 r45; Top Pin Number "H13" at 1895.45,1283.42 h10 r45; Top Pin Number "H12" at 1875.76,1283.42 h10 r45; Top Pin Number "H1" at 1661.23,1286.42 h10 r45; Top Pin Number "G3" at 1700.6,1306.1 h10 r45; Top Pin Number "G2" at 1680.91,1306.1 h10 r45; Top Pin Number "G14" at 1915.13,1303.1 h10 r45; Top Pin Number "G13" at 1895.45,1303.1 h10 r45; Top Pin Number "G12" at 1875.76,1303.1 h10 r45; Top Pin Number "G10" at 1836.39,1303.1 h10 r45; Top Pin Number "G1" at 1661.23,1306.1 h10 r45; Top Pin Number "F3" at 1700.6,1325.79 h10 r45; Top Pin Number "F2" at 1680.91,1325.79 h10 r45; Top Pin Number "F14" at 1915.13,1322.79 h10 r45; Top Pin Number "F13" at 1895.45,1322.79 h10 r45; Top Pin Number "F12" at 1875.76,1322.79 h10 r45; Top Pin Number "F1" at 1661.23,1325.79 h10 r45; Top Pin Number "E8" at 1799.02,1345.47 h10 r45; Top Pin Number "E5" at 1739.97,1345.47 h10 r45; Top Pin Number "E3" at 1700.6,1345.47 h10 r45; Top Pin Number "E2" at 1680.91,1345.47 h10 r45; Top Pin Number "E14" at 1915.13,1342.47 h10 r45; Top Pin Number "E13" at 1895.45,1342.47 h10 r45; Top Pin Number "E12" at 1875.76,1342.47 h10 r45; Top Pin Number "E1" at 1661.23,1345.47 h10 r45; Top Pin Number "D4" at 1720.28,1365.16 h10 r45
U5: Board Layer Stack Bottom Overlay "4" at 1730,1500 h20 r180; Board Layer Stack Bottom Overlay "8" at 1985,1720 h20 r180; Board Layer Stack Bottom Overlay "5" at 1735,1720 h20 r180; Board Layer Stack Bottom Overlay "1" at 1990,1495 h20 r180; Bottom Assembly "5" at 1788,1722.2 h20 r180; Bottom Assembly "4" at 1788,1497.8 h20 r180; Bottom Assembly "1" at 1938,1497.8 h20 r180; Bottom Pin Number "1" at 1938,1497.8 h20 r180; Bottom Pin Number "4" at 1788,1497.8 h20 r180; Bottom Pin Number "5" at 1788,1722.2 h20 r180; Bottom Pin Number "8" at 1939.67,1713.87 h10 r90; Bottom Pin Number "3" at 1839.67,1489.46 h10 r90; Bottom Pin Number "2" at 1889.67,1489.46 h10 r90; Bottom Pin Number "5" at 1789.67,1713.87 h10 r90; Bottom Pin Number "7" at 1889.67,1713.87 h10 r90; Bottom Pin Number "1" at 1939.67,1489.46 h10 r90; Bottom Pin Number "6" at 1839.67,1713.87 h10 r90; Bottom Pin Number "9" at 1869,1600 h10 r90; Bottom Pin Number "4" at 1789.67,1489.46 h10 r90
U8: Top Overlay "15" at 223.57,256.01 h15; Top Overlay "56" at 289.75,591.16 h15; Top Overlay "43" at 504.65,584.76 h15; Top Overlay "29" at 555.17,290.16 h15; Top Overlay "1" at 224.99,525.7 h15; Top Pin Number "49" at 414.56,557.06 h15 r90; Top Pin Number "47" at 446.06,557.06 h15 r90; Top Pin Number "30" at 518.52,336.62 h15; Top Pin Number "42" at 518.52,525.59 h15; Top Pin Number "41" at 518.52,509.84 h15; Top Pin Number "6" at 259.29,446.85 h15; Top Pin Number "3" at 258.57,494.1 h15; Top Pin Number "44" at 493.3,557.06 h15 r90; Top Pin Number "26" at 475.56,275.4 h15 r90; Top Pin Number "27" at 491.3,275.4 h15 r90; Top Pin Number "9" at 259.29,399.61 h15; Top Pin Number "13" at 247.57,336.62 h15; Top Pin Number "7" at 258.57,431.1 h15; Top Pin Number "1" at 265,525.59 h15; Top Pin Number "39" at 518.52,478.35 h15; Top Pin Number "40" at 518.52,494.1 h15; Top Pin Number "14" at 246.86,320.87 h15; Top Pin Number "52" at 367.32,557.06 h15 r90; Top Pin Number "28" at 507.05,275.4 h15 r90; Top Pin Number "8" at 258.57,415.36 h15; Top Pin Number "12" at 247.57,352.36 h15; Top Pin Number "50" at 398.82,557.06 h15 r90; Top Pin Number "51" at 383.07,557.06 h15 r90; Top Pin Number "10" at 247.57,383.86 h15; Top Pin Number "4" at 257.86,478.35 h15; Top Pin Number "36" at 518.52,431.1 h15; Top Pin Number "37" at 518.52,446.85 h15; Top Pin Number "31" at 518.52,352.36 h15; Top Pin Number "32" at 518.52,368.11 h15; Top Pin Number "11" at 254,368.11 h15; Top Pin Number "19" at 365.32,275.4 h15 r90; Top Pin Number "20" at 381.07,275.4 h15 r90; Top Pin Number "45" at 477.56,557.06 h15 r90; Top Pin Number "46" at 461.81,557.06 h15 r90; Top Pin Number "15" at 302.33,275.4 h15 r90; Top Pin Number "2" at 258.57,509.84 h15; Top Pin Number "43" at 509.05,557.06 h15 r90; Top Pin Number "57" at 382.69,423.23 h15; Top Pin Number "5" at 258.57,462.6 h15; Top Pin Number "23" at 428.31,275.4 h15 r90; Top Pin Number "55" at 320.08,557.06 h15 r90; Top Pin Number "38" at 518.52,462.6 h15; Top Pin Number "22" at 412.56,275.4 h15 r90; Top Pin Number "21" at 396.82,275.4 h15 r90; Top Pin Number "54" at 335.82,557.06 h15 r90; Top Pin Number "24" at 444.06,275.4 h15 r90; Top Pin Number "25" at 459.81,275.4 h15 r90; Top Pin Number "29" at 518.52,320.87 h15; Top Pin Number "16" at 318.08,275.4 h15 r90; Top Pin Number "18" at 349.57,275.4 h15 r90; Top Pin Number "17" at 333.82,275.4 h15 r90; Top Pin Number "35" at 518.52,415.36 h15; Top Pin Number "33" at 518.52,383.86 h15; Top Pin Number "34" at 518.52,399.61 h15; Top Pin Number "56" at 304.33,557.06 h15 r90; Top Pin Number "53" at 351.57,557.06 h15 r90; Top Pin Number "48" at 430.31,557.06 h15 r90
U10: Board Layer Stack Bottom Overlay "1" at 921.06,1685.21 h15 r270
UL_BOX: Top Value "ul_box" at 2290,1975 h31
Y1: Top Overlay "1" at 1500.86,1438.33 h15 r180